# KiCad board MelonLORD.kicad_pcb
title: MelonLORD; date: 2025-09-07; rev: 0.1; company: _RoseDaggerDev
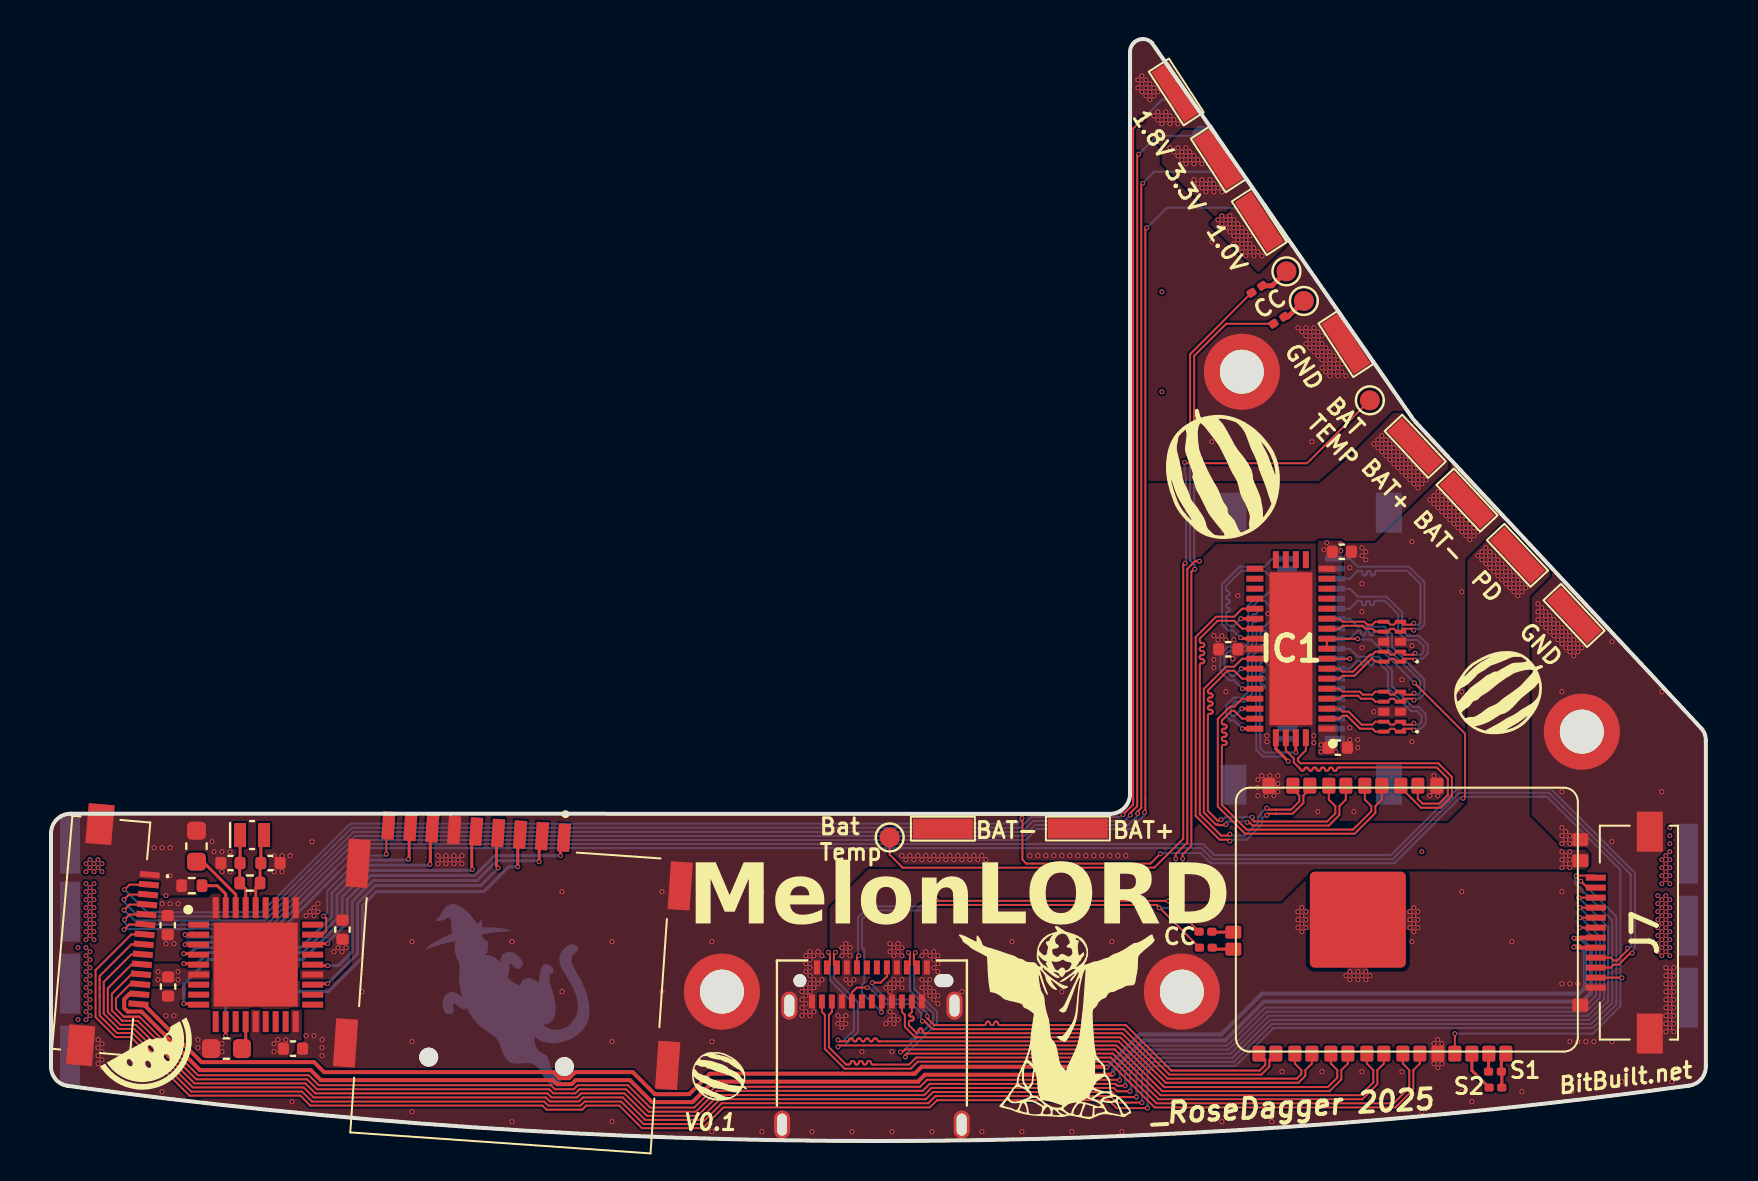
[diagram p0: board, top side]
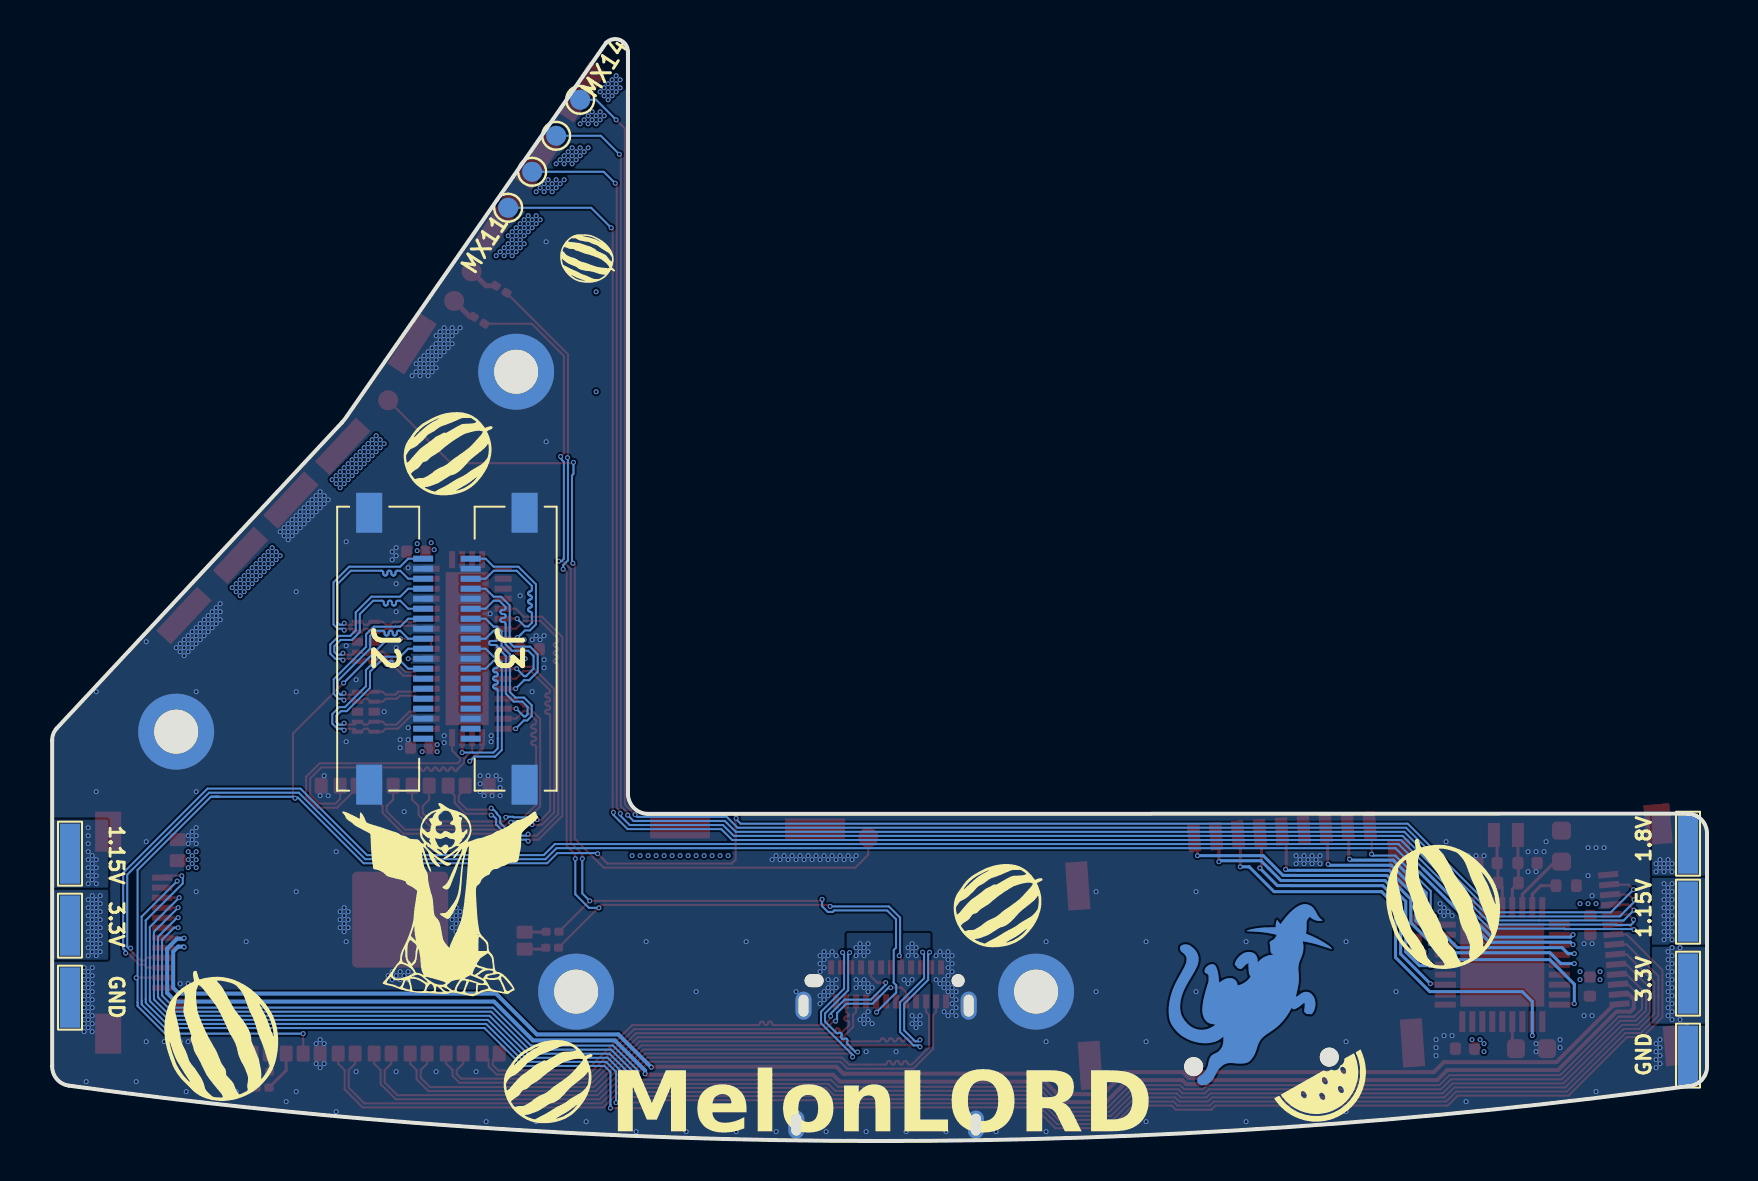
[diagram p1: board, bottom side, seen from below]

Outline 82.75 x 55.06 mm; copper layers: Top, In1.Cu, In2.Cu, Bottom. Coordinates in mm from the lower left corner of the outline.
Outline path: 0,15.37 0,3.74 arc(0.24,3.08) 0.82,2.76 arc(41.37,0) 81.91,2.77 arc(82.52,3.1) 82.75,3.75 82.75,20.03 arc(82.7,20.34) 82.53,20.63 68.26,35.93 arc(68.13,36.08) 68.01,36.25 55.05,54.92 arc(54.36,55.06) 53.96,54.46 53.96,17.36 arc(53.67,16.66) 52.95,16.36 1,16.37 arc(0.29,16.08) 0,15.37
Stack: Top 0.035mm / dielectric 0.1mm FR4 er 4.5 / In1.Cu 0.035mm / dielectric 0.24mm FR4 er 4.5 / In2.Cu 0.035mm / dielectric 0.1mm FR4 er 4.5 / Bottom 0.035mm

## Placement (name value [footprint] x y rotation side)
C1  18p  [C_0402_1005Metric]  10.98 13.9 0 top
C2  18p  [C_0402_1005Metric]  8.98 13.9 0 top
C3  1u  [C_0603_1608Metric]  8.77 4.62 180 top
C4  1u  [C_0603_1608Metric]  7.27 14.75 270 top
C5  100n  [C_0402_1005Metric]  5.84 10.8 270 top
C6  100n  [C_0402_1005Metric]  5.86 7.72 270 top
C7  100n  [C_0402_1005Metric]  14.58 10.57 90 top
C8  100n  [C_0402_1005Metric]  12.1 4.62 0 top
C9  100n  [C_0402_1005Metric]  64.55 29.47 0 top
C10  100n  [C_0402_1005Metric]  64.35 19.67 180 top
C11  100n  [C_0402_1005Metric]  58.87 24.59 0 top
D1  -  [ESD204DQAR]  67.07 21.47 180 top
D2  -  [ESD204DQAR]  67.07 24.97 180 top
G***  -  [LOGO]  50.55 6.17 0 top
G***#2  -  [LOGO]  58.55 33.47 110 top
G***#3  -  [LOGO]  33.45 3.17 335 top
G***#4  -  [LOGO]  72.55 22.47 30 top
G***#5  -  [LOGO]  4.75 4.37 0 top
G***#6  -  [LOGO]  23.04 7.51 180 bottom
G***#7  -  [LOGO]  19.35 2.77 180 bottom
G***#8  -  [LOGO]  74.35 5.37 70 bottom
G***#9  -  [LOGO]  35.29 11.82 150 bottom
G***#10  -  [LOGO]  63.1 12.32 180 bottom
G***#11  -  [LOGO]  55.95 44.07 205 bottom
G***#12  -  [LOGO]  57.79 3.02 150 bottom
G***#13  -  [LOGO]  13.25 11.97 70 bottom
G***#14  -  [LOGO]  62.79 34.42 150 bottom
H1  MountingHole_Pad  [MountingHole_2.2mm_M2_DIN965_Pad]  33.55 7.47 0 top
H2  MountingHole_Pad  [MountingHole_2.2mm_M2_DIN965_Pad]  56.55 7.47 0 top
H3  MountingHole_Pad  [MountingHole_2.2mm_M2_DIN965_Pad]  76.55 20.47 0 top
H4  MountingHole_Pad  [MountingHole_2.2mm_M2_DIN965_Pad]  59.55 38.47 0 top
IC1  TS3DV621RUAR  [QFN50P350X900X80-43N-D]  62 24.62 180 top
IC2  USB2244-AEZG-06  [QFN50P600X600X90-37N]  10.24 8.82 0 top
J1  USB_C_Receptacle  [USB_C_Receptacle_Amphenol_12401610E4-2A]  41.05 3.66 0 top
J2  505278-1933  [5052781933]  66.35 24.62 270 bottom
J3  505278-1933  [5052781933]  59.67 24.62 90 bottom
J4  MEM2075-00-140-01-A  [MEM20750014001A]  23.04 7.96 356 top
J5  505110-1492  [5051101492]  2.06 10.31 265 top
J7  505110-1292  [5051101292]  79.7 10.42 90 top
R1  NC  [R_0201_0603Metric]  57.75 9.67 180 top
R2  NC  [R_0201_0603Metric]  57.73 10.47 180 top
R3  0  [R_0201_0603Metric]  72.23 2.67 0 top
R4  0  [R_0201_0603Metric]  72.2 3.47 180 top
R5  12k  [R_0402_1005Metric]  7.04 12.77 0 top
R6  1M  [R_0402_1005Metric]  9.95 12.9 0 top
R7  NC  [R_0201_0603Metric]  60.3 42.6 213 top
R8  NC  [R_0201_0603Metric]  61.4 41.05 213 top
TP1  TestPoint  [TestPoint_Pad_3x1.0mm]  60.42 45.97 303 top
TP2  TestPoint  [TestPoint_Pad_3x1.0mm]  81.86 14.37 90 bottom
TP3  TestPoint  [TestPoint_Pad_3x1.0mm]  56.27 52.46 303 top
TP4  TestPoint  [TestPoint_Pad_3x1.0mm]  58.37 49.11 303 top
TP5  TestPoint  [TestPoint_Pad_D1.0mm]  61.78 43.49 0 top
TP6  TestPoint  [TestPoint_Pad_3x1.0mm]  73.33 29.29 313 top
TP7  TestPoint  [TestPoint_Pad_3x1.0mm]  68.22 34.74 313 top
TP8  TestPoint  [TestPoint_Pad_3x1.0mm]  70.81 32.05 313 top
TP9  TestPoint  [TestPoint_Pad_3x1.0mm]  76.16 26.28 313 top
TP10  TestPoint  [TestPoint_Pad_3x1.0mm]  51.35 15.63 0 top
TP11  TestPoint  [TestPoint_Pad_3x1.0mm]  64.75 39.87 303 top
TP12  TestPoint  [TestPoint_Pad_3x1.0mm]  44.6 15.62 0 top
TP13  TestPoint  [TestPoint_Pad_D1.0mm]  62.65 42.01 0 top
TP14  TestPoint  [TestPoint_Pad_D1.0mm]  65.95 37.04 0 top
TP15  TestPoint  [TestPoint_Pad_D1.0mm]  41.94 15.18 0 top
TP16  5V  [TestPoint_Pad_3x1.0mm]  81.86 7.17 270 bottom
TP17  5V  [TestPoint_Pad_3x1.0mm]  81.86 10.77 270 bottom
TP24  SPVDD  [TestPoint_Pad_D1.0mm]  58.75 48.47 180 bottom
TP25  SPVDD  [TestPoint_Pad_D1.0mm]  59.95 46.67 180 bottom
TP26  SPVDD  [TestPoint_Pad_D1.0mm]  57.55 50.27 180 bottom
TP31  SPVDD  [TestPoint_Pad_D1.0mm]  56.35 52.07 180 bottom
TP34  TestPoint  [TestPoint_Pad_3x1.0mm]  0.95 14.87 90 bottom
TP35  TestPoint  [TestPoint_Pad_3x1.0mm]  0.95 7.87 90 bottom
TP36  TestPoint  [TestPoint_Pad_3x1.0mm]  0.95 11.47 90 bottom
TP37  TestPoint  [TestPoint_Pad_3x1.0mm]  0.95 4.27 90 bottom
U1  ~  [melonHD_SMT]  67.65 10.87 270 top
Y1  24MHz  [Crystal_SMD_MicroCrystal_CM9V-T1A-2Pin_1.6x1.0mm]  10.06 15.3 0 top

## Library data of the parts
C1-C11 = -: Description: Unpolarized capacitor, small symbol; ki_fp_filters: C_*
D1 D2 = -: Datasheet: http://www.ti.com/lit/gpn/esd204; Description: 4-Channel Low-Capacitance Surge and ESD Protection Diode; Height: 0.55; Mouser Part Number: 595-ESD204DQAR; Mouser Price/Stock: https://www.mouser.co.uk/ProductDetail/Texas-Instruments/ESD204DQAR?qs=r5DSvlrkXmLJ52LliQixbw%3D%3D; Manufacturer_Name: Texas Instruments
H1-H4 = -: Description: Mounting Hole with connection; ki_fp_filters: MountingHole*Pad*
IC1 = -: Datasheet: http://www.ti.com/lit/gpn/ts3dv621; Description: Texas Instruments TS3DV621RUAR, Multiplexer Switch IC Twelve 1:2 demultiplexer, multiplexer, 3  3.6 V, 42-Pin; Height: 0.8; Mouser Part Number: 595-TS3DV621RUAR; Mouser Price/Stock: https://www.mouser.co.uk/ProductDetail/Texas-Instruments/TS3DV621RUAR?qs=2UFnnMkojnXsORWnVgCMog%3D%3D; Manufacturer_Name: Texas Instruments
IC2 = -: Datasheet: http://www.microchip.com/mymicrochip/filehandler.aspx?ddocname=en562093; Description: USB 2.0 SD/MMC Flash Controller QFN36 Microchip USB2244-AEZG-06, USB Controller, 35MBps, USB 2.0, 3.3 V, 36-Pin QFN; Height: 0.9; Mouser Part Number: 886-USB2244-AEZG-06; Mouser Price/Stock: https://www.mouser.co.uk/ProductDetail/Microchip-Technology/USB2244-AEZG-06?qs=pA5MXup5wxGi7RVCZrMVFw%3D%3D; Manufacturer_Name: Microchip
J1 = -: Datasheet: https://www.usb.org/sites/default/files/documents/usb_type-c.zip; Description: USB Full-Featured Type-C Receptacle connector; ki_fp_filters: USB*C*Receptacle*
J2 J3 = -: Datasheet: https://www.molex.com/pdm_docs/sd/5052781933_sd.pdf; Description: FFC & FPC Connectors 0.5 FFC ZIF BTM CONT 19Ckt R/A FRONT FLIP; Height: 2.15; Mouser Part Number: 538-505278-1933; Mouser Price/Stock: https://www.mouser.co.uk/ProductDetail/Molex/505278-1933?qs=c8NFF48pVsDT1Rm30ZuzyA%3D%3D; Manufacturer_Name: Molex
J4 = -: Description: GCT (GLOBAL CONNECTOR TECHNOLOGY) - MEM2075-00-140-01-A - MICRO SD CARD CONN, PUSH-PUSH, 9POS, SMT; Height: 1.45; Mouser Part Number: 640-MEM20750014001A; Mouser Price/Stock: https://www.mouser.co.uk/ProductDetail/GCT/MEM2075-00-140-01-A?qs=KUoIvG%2F9IlZvfWpeERlq3Q%3D%3D; Manufacturer_Name: GCT (GLOBAL CONNECTOR TECHNOLOGY)
J5 = -: Datasheet: https://www.molex.com/pdm_docs/sd/5051101492_sd.pdf; Description: Molex Easy-On Series 0.5mm Pitch 14 Way Right Angle SMT Male FPC Connector, ZIF Bottom Contact; Height: 3.95; Mouser Part Number: 538-505110-1492; Mouser Price/Stock: https://www.mouser.co.uk/ProductDetail/Molex/505110-1492?qs=RawsiUxJOFRayVL4TsmiFw%3D%3D; Manufacturer_Name: Molex
J7 = -: Datasheet: https://componentsearchengine.com/Datasheets/1/505110-1292.pdf; Description: Molex Easy-On Series 0.5mm Pitch 12 Way Right Angle SMT Male FPC Connector, ZIF Bottom Contact; Height: 3.95; Mouser Part Number: 538-505110-1292; Mouser Price/Stock: https://www.mouser.co.uk/ProductDetail/Molex/505110-1292?qs=BA62vJVifGptACMEATLLfQ%3D%3D; Manufacturer_Name: Molex
R1-R8 = -: Description: Resistor; ki_fp_filters: R_*
TP1-TP15 TP34-TP37 = -: Description: test point; ki_fp_filters: Pin* Test*
TP16 TP17 TP24-TP26 TP31 = -: ki_fp_filters: Pin* Test*
Y1 = -: Description: Two pin crystal; ki_fp_filters: Crystal*

## Footprints (pads in the part's own frame, mm; a bottom-side part is the same pattern mirrored in y, then rotated)
5051101292
  rect 0.3x1 smd: 1(-2.75,2.455) 2(-2.25,2.455) 3(-1.75,2.455) 4(-1.25,2.455) 5(-0.75,2.455) 6(-0.25,2.455) 7(0.25,2.455) 8(0.75,2.455) 9(1.25,2.455) 10(1.75,2.455) 11(2.25,2.455) 12(2.75,2.455)
  rect 2x1.3 smd: MP1(-5.05,-0.245) MP2(5.05,-0.245)
5051101492
  rect 0.3x1 smd: 1(-3.25,2.605) 2(-2.75,2.605) 3(-2.25,2.605) 4(-1.75,2.605) 5(-1.25,2.605) 6(-0.75,2.605) 7(-0.25,2.605) 8(0.25,2.605) 9(0.75,2.605) 10(1.25,2.605) 11(1.75,2.605) 12(2.25,2.605) 13(2.75,2.605) 14(3.25,2.605)
  rect 2x1.3 smd: MP1(-5.55,-0.095) MP2(5.55,-0.095)
5052781933
  rect 0.3x1 smd: 1(-4.5,2.15) 2(-4,2.15) 3(-3.5,2.15) 4(-3,2.15) 5(-2.5,2.15) 6(-2,2.15) 7(-1.5,2.15) 8(-1,2.15) 9(-0.5,2.15) 10(0,2.15) 11(0.5,2.15) 12(1,2.15) 13(1.5,2.15) 14(2,2.15) 15(2.5,2.15) 16(3,2.15) 17(3.5,2.15) 18(4,2.15) 19(4.5,2.15)
  rect 2x1.3 smd: MP1(-6.8,-0.55) MP2(6.8,-0.55)
C_0402_1005Metric
  rrect 0.56x0.62 smd: 1(-0.48,0) 2(0.48,0)
C_0603_1608Metric
  rrect 0.9x0.95 smd: 1(-0.775,0) 2(0.775,0)
Crystal_SMD_MicroCrystal_CM9V-T1A-2Pin_1.6x1.0mm
  rect 0.6x1.2 smd: 1(-0.6,0) 2(0.6,0)
ESD204DQAR
  rect 0.565x0.2 smd: 1(-0.417,1) 2(-0.417,0.5) 4(-0.417,-0.5) 5(-0.417,-1) 6(0.417,-1) 7(0.417,-0.5) 9(0.417,0.5) 10(0.417,1)
  rect 0.565x0.4 smd: 3(-0.417,0) 8(0.417,0)
melonHD_SMT
  rrect 0.65x0.8 smd: 1(-3.15,8.725) 2(-4.2,8.725) 13(0.425,-8.425) 14(1.275,-8.425) 30(4.075,8.725)
  rrect 0.8x0.65 smd: 3(-6.8,1.65) 4(-6.8,0.7) 5(-6.8,-0.15) 6(-6.8,-1.1) 7(-6.8,-1.95) 8(-6.8,-2.9) 9(-6.8,-3.75) 10(-6.8,-4.7) 11(-6.8,-5.55) 12(-6.8,-6.75) 15(6.4,-7.25) 16(6.4,-6.4) 17(6.4,-5.45) 18(6.4,-4.6) 19(6.4,-3.65) 20(6.4,-2.8) 21(6.4,-1.85) 22(6.4,-1) 23(6.4,-0.05) 24(6.4,0.8) 25(6.4,1.7) 26(6.4,2.55) 27(6.4,3.4) 28(6.4,4.25) 29(6.4,5.1)
  rrect 4.8x4.8 smd: 31(-0.2,-2.3)
MEM20750014001A
  round 0.95 hole 0.95 unplated: (-3.875,-4.045) (2.925,-4.045)
  rect 0.62x1.4 smd: 1(2.105,7.375) 2(1.005,7.375) 3(-0.095,7.375) 4(-1.195,7.375) 5(-2.295,7.375) 6(-3.395,7.375) 7(-4.495,7.375) 8(-5.595,7.375) 9(-6.695,7.375)
  rect 1.1x2.4 smd: 10(-8.075,5.375) 11(-8.075,-3.625) 12(8.075,-3.625) 13(8.075,5.375)
MountingHole_2.2mm_M2_DIN965_Pad
  round 3.8 hole 2.2: 1(0,0)
QFN50P350X900X80-43N-D
  rect 0.85x0.3 smd: 1(-1.8,4) 2(-1.8,3.5) 3(-1.8,3) 4(-1.8,2.5) 5(-1.8,2) 6(-1.8,1.5) 7(-1.8,1) 8(-1.8,0.5) 9(-1.8,0) 10(-1.8,-0.5) 11(-1.8,-1) 12(-1.8,-1.5) 13(-1.8,-2) 14(-1.8,-2.5) 15(-1.8,-3) 16(-1.8,-3.5) 17(-1.8,-4) 22(1.8,-4) 23(1.8,-3.5) 24(1.8,-3) 25(1.8,-2.5) 26(1.8,-2) 27(1.8,-1.5) 28(1.8,-1) 29(1.8,-0.5) 30(1.8,0) 31(1.8,0.5) 32(1.8,1) 33(1.8,1.5) 34(1.8,2) 35(1.8,2.5) 36(1.8,3) 37(1.8,3.5) 38(1.8,4)
  rect 0.3x0.85 smd: 18(-0.75,-4.45) 19(-0.25,-4.45) 20(0.25,-4.45) 21(0.75,-4.45) 39(0.75,4.45) 40(0.25,4.45) 41(-0.25,4.45) 42(-0.75,4.45)
  rect 2.15x7.65 smd: 43(0,0)
QFN50P600X600X90-37N
  rect 1.05x0.3 smd: 1(-2.85,2) 2(-2.85,1.5) 3(-2.85,1) 4(-2.85,0.5) 5(-2.85,0) 6(-2.85,-0.5) 7(-2.85,-1) 8(-2.85,-1.5) 9(-2.85,-2) 19(2.85,-2) 20(2.85,-1.5) 21(2.85,-1) 22(2.85,-0.5) 23(2.85,0) 24(2.85,0.5) 25(2.85,1) 26(2.85,1.5) 27(2.85,2)
  rect 0.3x1.05 smd: 10(-2,-2.85) 11(-1.5,-2.85) 12(-1,-2.85) 13(-0.5,-2.85) 14(0,-2.85) 15(0.5,-2.85) 16(1,-2.85) 17(1.5,-2.85) 18(2,-2.85) 28(2,2.85) 29(1.5,2.85) 30(1,2.85) 31(0.5,2.85) 32(0,2.85) 33(-0.5,2.85) 34(-1,2.85) 35(-1.5,2.85) 36(-2,2.85)
  rect 4.2x4.2 smd: 37(0,0)
R_0201_0603Metric
  rrect 0.318x0.36 smd: (-0.345,0) (0.345,0)
  rrect 0.46x0.4 smd: 1(-0.32,0) 2(0.32,0)
R_0402_1005Metric
  rrect 0.54x0.64 smd: 1(-0.51,0) 2(0.51,0)
TestPoint_Pad_3x1.0mm
  rect 3x1 smd: 1(0,0)
TestPoint_Pad_D1.0mm
  round 1 smd: 1(0,0)
USB_C_Receptacle_Amphenol_12401610E4-2A
  round 0.65 hole 0.65 unplated: (-3.6,4.36)
  oval 0.95x0.65 hole 0.95x0.65 unplated: (3.6,4.36)
  rect 0.3x0.7 smd: A1(-2.75,5.02) A2(-2.25,5.02) A3(-1.75,5.02) A4(-1.25,5.02) A5(-0.75,5.02) A6(-0.25,5.02) A7(0.25,5.02) A8(0.75,5.02) A9(1.25,5.02) A10(1.75,5.02) A11(2.25,5.02) A12(2.75,5.02) B1(2.5,3.32) B2(2,3.32) B3(1.5,3.32) B4(1,3.32) B5(0.5,3.32) B6(0,3.32) B7(-0.5,3.32) B8(-1,3.32) B9(-1.5,3.32) B10(-2,3.32) B11(-2.5,3.32) B12(-3,3.32)
  oval 0.8x1.4 hole 0.5x1.1: S1(-4.49,-2.84) S1(-4.13,3.11) S1(4.13,3.11) S1(4.49,-2.84)

## Nets
+1V0: TP1.1
+1V8: TP3.1 TP34.1
+1V15: TP2.1 TP36.1
+3V3: C5.1 C6.1 C7.1 C8.1 C9.1 C10.2 C11.2 IC1.1 IC1.8 IC1.17 IC1.30 IC2.6 IC2.14 IC2.18 IC2.22 IC2.36 TP4.1 TP17.1 TP35.1
GND: C1.2 C2.1 C3.2 C4.1 C5.2 C6.2 C7.2 C8.2 C9.2 C10.1 C11.1 D1.3 D1.8 D2.3 D2.8 H1.1 H2.1 H3.1 H4.1 IC1.43 IC2.28 IC2.37 J1.A1 J1.A12 J1.B1 J1.B12 J1.S1 J2.2 J2.5 J2.8 J2.11 J2.17 J2.MP1 J2.MP2 J3.3 J3.9 J3.12 J3.15 J3.18 J3.MP1 J3.MP2 J4.6 J4.10 J4.11 J4.12 J4.13 J5.1 J5.MP1 J5.MP2 J7.1 J7.MP1 J7.MP2 R5.1 TP8.1 TP9.1 TP11.1 TP12.1 TP16.1 TP37.1 U1.2 U1.3 U1.12 U1.25 U1.30 U1.31
VBUS: J1.A4 J1.A9 J1.B4 J1.B9 TP6.1 U1.1
+BATT: TP7.1 TP10.1
AUXDP+: J1.A8 U1.15
AUXDP-: J1.B8 U1.16
BatTemp: TP14.1 TP15.1
C_IN: J5.10 J7.9
CC1: J1.A5 R1.2 R7.2
CC2: J1.B5 R2.2 R8.2
D0+: D1.4 D1.7 IC1.4 J2.7
D0-: D1.5 D1.6 IC1.5 J2.9
D0A+: IC1.38 J3.13
D0A-: IC1.36 J3.11
D0B+: IC1.37 U1.7
D0B-: IC1.35 U1.6
D1+: D2.1 D2.10 IC1.6 J2.4
D1-: D2.2 D2.9 IC1.7 J2.6
D1A+: IC1.34 J3.16
D1A-: IC1.32 J3.14
D1B+: IC1.33 U1.9
D1B-: IC1.31 U1.8
D2+: D2.4 D2.7 IC1.11 J2.1
D2-: D2.5 D2.6 IC1.12 J2.3
D2A+: IC1.29 J3.19
D2A-: IC1.27 J3.17
D2B+: IC1.28 U1.11
D2B-: IC1.26 U1.10
D_IN: J5.12 J7.7
DCLK+: D1.1 D1.10 IC1.2 J2.10
DCLK-: D1.2 D1.9 IC1.3 J2.12
DCLKA+: IC1.41 J3.8
DCLKA-: IC1.39 J3.10
DCLKB+: IC1.42 U1.5
DCLKB-: IC1.40 U1.4
HPD: IC1.9 IC1.10 J5.2 J7.2 U1.26
M_IN: J5.9 J7.10
MX11: J5.6 TP25.1
MX12: J5.5 TP24.1
MX13: J5.4 TP26.1
MX14: J5.3 TP31.1
RX1+: J1.B11 U1.24
RX1-: J1.B10 U1.23
RX2+: J1.A11 U1.22
RX2-: J1.A10 U1.21
SCL: J5.7 J7.11
SD_CD: IC2.26 J4.9
SD_CLK: IC2.9 J4.5
SD_CMD: IC2.11 J4.3
SD_D0: IC2.5 J4.7
SD_DAT1: IC2.4 J4.8
SD_DAT2: IC2.25 J4.1
SD_DAT3: IC2.23 J4.2
SD_PWR: IC2.21 J4.4
SDA: J5.8 J7.12
SPKL+: J5.13 J7.6
SPKL-: J5.14 J7.5
TX1+: J1.A2 U1.19
TX1-: J1.A3 U1.20
TX2+: J1.B2 U1.17
TX2-: J1.B3 U1.18
USB_DATA+: IC2.2 J7.3
USB_DATA-: IC2.3 J7.4
W_IN: J5.11 J7.8
Net-(IC2-RBIAS): IC2.35 R5.2
Net-(IC2-VDD18): C3.1 IC2.13
Net-(IC2-VDD18PLL): C4.2 IC2.34
Net-(IC2-XTAL1_(CLKIN)): C2.2 IC2.33 R6.1 Y1.1
Net-(IC2-XTAL2): C1.1 IC2.32 R6.2 Y1.2
Net-(R7-Pad1): R7.1 TP5.1
Net-(R8-Pad1): R8.1 TP13.1
Net-(U1-3.3V_OUT): R3.2 R4.1 U1.29
Net-(U1-CC1): R1.1 U1.14
Net-(U1-CC2): R2.1 U1.13
Net-(U1-SEL0): R3.1 U1.27
Net-(U1-SEL1): R4.2 U1.28

Pads without a net: IC1 13 14 15 16 18 19 20 21 22 23 24 25; IC2 1 7 8 10 12 15 16 17 19 20 24 27 29 30 31; J1 A6 A7 B6 B7; J2 13 14 15 16 18 19; J3 1 2 4 5 6 7

## Via types
v1: diameter 0.25, hole 0.15, Top to Bottom, 859 vias

## Routing (per net, layer and track width the routed paths; a pad name or vN(x,y) marks a point on that pad's centre or on a via; arc(x,y) is an arc through that point)
+1V0:
  vias: v1(58.35,46.07) v1(58.55,46.27) v1(58.55,45.87) v1(58.75,46.07) v1(58.75,45.67) v1(58.95,46.27) v1(58.95,45.87) v1(58.95,45.47) v1(59.15,46.07) v1(59.15,45.67) v1(59.15,45.27) v1(59.15,44.87) v1(59.35,45.87) v1(59.35,45.47) v1(59.35,45.07) v1(59.35,44.67) v1(59.55,45.67) v1(59.55,45.27) v1(59.55,44.87) v1(59.55,44.47) v1(59.75,45.47) v1(59.75,45.07) v1(59.75,44.67) v1(59.75,44.27) v1(59.95,45.27) v1(59.95,44.87) v1(59.95,44.47) v1(60.15,44.67) v1(60.15,44.27) v1(60.35,44.47) v1(60.55,44.27)
+1V8:
  vias: v1(1.75,13.87) v1(1.75,13.47) v1(1.95,14.07) v1(1.95,13.67) v1(2.15,13.87) v1(2.15,13.47) v1(2.35,14.07) v1(2.35,13.67) v1(2.55,13.87) v1(2.55,13.47) v1(54.35,53.07) v1(54.35,52.67) v1(54.55,53.27) v1(54.55,52.87) v1(54.55,52.47) v1(54.75,53.07) v1(54.75,52.67) v1(54.75,52.27) v1(54.95,52.87) v1(54.95,52.47) v1(54.95,52.07) v1(55.15,52.67) v1(55.15,52.27) v1(55.15,51.27) v1(55.35,52.47) v1(55.35,51.47) v1(55.35,51.07) v1(55.55,51.27) v1(55.55,50.87) v1(55.55,42.47) v1(55.55,37.47) v1(55.75,51.47) v1(55.75,51.07) v1(55.95,51.27) v1(55.95,50.87) v1(56.15,51.07) v1(56.35,50.87)
+1V15:
  vias: v1(1.75,12.87) v1(1.75,12.47) v1(1.75,12.07) v1(1.75,11.67) v1(1.75,11.27) v1(1.75,10.87) v1(1.75,10.47) v1(1.75,10.07) v1(1.95,12.67) v1(1.95,12.27) v1(1.95,11.87) v1(1.95,11.47) v1(1.95,11.07) v1(1.95,10.67) v1(1.95,10.27) v1(2.15,12.87) v1(2.15,12.47) v1(2.15,12.07) v1(2.15,11.67) v1(2.15,11.27) v1(2.15,10.87) v1(2.15,10.47) v1(2.15,10.07) v1(80.55,14.07) v1(80.55,13.67) v1(80.55,13.27) v1(80.55,12.87) v1(80.75,14.27) v1(80.75,13.87) v1(80.75,13.47) v1(80.75,13.07) v1(80.95,15.67) v1(80.95,15.27) v1(80.95,14.87) v1(80.95,14.47) v1(80.95,14.07) v1(80.95,13.67) v1(80.95,13.27) v1(80.95,12.87)
+3V3: length 1.2
  Top w0.102: v1(64.95,24.12) IC1.8
  vias: v1(1.35,9.67) v1(1.35,6.07) v1(1.75,9.67) v1(1.75,9.27) v1(1.75,8.87) v1(1.75,8.47) v1(1.75,8.07) v1(1.75,7.67) v1(1.75,7.27) v1(1.75,6.87) v1(1.75,6.47) v1(1.75,6.07) v1(1.95,9.47) v1(1.95,9.07) v1(1.95,8.67) v1(1.95,8.27) v1(1.95,7.87) v1(1.95,7.47) v1(1.95,7.07) v1(1.95,6.67) v1(1.95,6.27) v1(5.35,8.47) v1(5.35,8.07) v1(5.55,11.87) v1(5.95,11.87) v1(6.35,11.87) v1(6.35,8.47) v1(6.35,8.07) v1(11.15,4.87) v1(11.15,4.47) v1(11.35,5.07) v1(11.75,5.07) v1(14.15,9.47) v1(14.35,9.67) v1(14.55,9.47) v1(14.75,9.67) v1(55.95,49.67) v1(56.15,49.47) v1(56.35,49.67) v1(56.35,49.27) v1(56.55,49.47) v1(56.55,49.07) v1(56.75,49.67) v1(56.75,49.27) v1(56.75,48.87) v1(56.95,49.47) v1(56.95,49.07) v1(57.15,49.27) v1(57.15,48.87) v1(57.15,48.07) v1(57.35,49.07) v1(57.35,47.87) v1(57.55,48.87) v1(57.55,48.07) v1(57.55,47.67) v1(57.75,47.87) v1(57.75,47.47) v1(57.95,48.07) v1(57.95,47.67) v1(58.15,47.87) v1(58.15,47.47) v1(58.35,47.67) v1(58.55,47.47) v1(59.15,25.07) v1(59.1,24.12) v1(63.5,19.82) v1(63.5,19.47) v1(63.65,29.57) v1(63.8,29.92) v1(64.25,19.47) v1(64.5,29.87) v1(64.5,29.52) v1(80.35,12.27) v1(80.35,11.87) v1(80.35,11.47) v1(80.35,11.07) v1(80.35,10.67) v1(80.35,10.27) v1(80.35,9.87) v1(80.35,9.47) v1(80.55,12.07) v1(80.55,11.67) v1(80.55,11.27) v1(80.55,10.87) v1(80.55,10.47) v1(80.55,10.07) v1(80.55,9.67) v1(80.55,9.27) v1(80.75,12.27) v1(80.75,11.87) v1(80.75,11.47) v1(80.75,11.07) v1(80.75,10.67) v1(80.75,10.27) v1(80.75,9.87) v1(80.75,9.47) v1(80.95,12.07) v1(80.95,11.67) v1(80.95,11.27) v1(80.95,10.87) v1(80.95,10.47) v1(80.95,10.07) v1(80.95,9.67) v1(80.95,9.27)
GND:
  vias: v1(2.35,5.07) v1(2.35,4.67) v1(2.35,4.27) v1(2.35,3.87) v1(2.55,4.87) v1(2.55,4.47) v1(2.55,4.07) v1(2.55,3.67) v1(5.15,14.67) v1(5.55,14.67) v1(5.55,2.47) v1(5.75,12.27) v1(5.75,9.87) v1(5.75,6.27) v1(5.95,14.67) v1(5.95,13.27) v1(6.15,9.87) v1(6.15,6.27) v1(7.35,5.07) v1(7.35,4.67) v1(8.05,14.97) v1(8.15,14.47) v1(8.55,14.47) v1(8.55,13.47) v1(8.55,4.87) v1(8.55,4.47) v1(8.95,14.47) v1(8.95,13.47) v1(11.15,14.27) v1(11.15,13.47) v1(11.55,14.27) v1(11.55,13.47) v1(11.95,14.27) v1(12.05,1.97) v1(12.75,11.27) v1(12.75,5.27) v1(12.95,11.47) v1(13.05,14.97) v1(13.15,11.67) v1(13.15,11.27) v1(13.15,5.27) v1(13.35,11.87) v1(13.35,11.47) v1(13.55,5.07) v1(13.55,4.67) v1(13.55,4.27) v1(15.55,7.47) v1(18.05,9.97) v1(18.05,4.97) v1(18.05,1.47) v1(19.35,14.27) v1(19.35,13.87) v1(19.55,14.07) v1(19.75,14.27) v1(19.75,13.87) v1(19.95,14.07) v1(20.15,14.27) v1(20.15,13.87) v1(20.35,14.07) v1(20.55,14.27) v1(20.55,13.87) v1(23.05,9.97) v1(23.05,0.97) v1(25.55,12.47) v1(25.55,7.47) v1(28.05,9.97) v1(28.05,4.97) v1(28.05,0.97) v1(30.55,12.47) v1(30.55,7.47) v1(33.05,9.97) v1(33.05,4.97) v1(33.05,0.47) v1(35.55,12.47) v1(35.55,0.47) v1(37.55,7.47) v1(37.55,7.07) v1(37.55,6.67) v1(37.55,6.27) v1(37.75,9.27) v1(37.75,8.87) v1(37.75,8.47) v1(37.75,7.67) v1(37.75,7.27) v1(37.75,6.87) v1(37.75,6.47) v1(37.95,9.47) v1(37.95,9.07) v1(37.95,8.67) v1(37.95,8.27) v1(37.95,7.87) v1(37.95,7.47) v1(37.95,6.27) v1(38.05,0.47) v1(38.15,9.27) v1(38.15,8.07) v1(38.15,7.67) v1(38.15,6.47) v1(38.35,9.47) v1(38.35,7.87) v1(38.55,9.27) v1(38.55,8.07) v1(40.05,0.47) v1(40.55,4.47) v1(42.05,4.47) v1(42.05,0.47) v1(42.55,14.27) v1(42.75,14.07) v1(42.95,14.27) v1(43.15,14.07) v1(43.35,14.27) v1(43.55,14.07) v1(43.55,9.27) v1(43.55,8.07) v1(43.55,7.67) v1(43.75,14.27) v1(43.75,9.47) v1(43.75,7.87) v1(43.75,7.47) v1(43.95,14.07) v1(43.95,9.27) v1(43.95,8.07) v1(43.95,7.67) v1(43.95,7.27) v1(44.05,0.47) v1(44.15,14.27) v1(44.15,9.47) v1(44.15,9.07) v1(44.15,8.67) v1(44.15,7.47) v1(44.15,7.07) v1(44.35,14.07) v1(44.35,9.27) v1(44.35,8.87) v1(44.35,8.47) v1(44.35,7.27) v1(44.35,6.87) v1(44.55,14.27) v1(44.75,14.07) v1(44.95,14.27) v1(45.15,14.07) v1(45.35,14.27) v1(45.55,14.07) v1(45.55,7.47) v1(45.75,14.27) v1(45.95,14.07) v1(46.15,14.27) v1(46.35,14.07) v1(46.55,14.27) v1(46.55,0.47) v1(46.75,14.07) v1(48.05,9.97) v1(48.55,0.47) v1(50.55,7.47) v1(51.05,0.47) v1(53.05,9.97) v1(53.55,0.47) v1(56.05,0.97) v1(58.05,44.97) v1(58.05,34.97) v1(58.15,25.27) v1(58.15,24.07) v1(58.15,23.67) v1(58.35,25.07) v1(58.55,25.27) v1(58.55,0.97) v1(58.75,25.07) v1(58.75,22.47) v1(59.35,27.27) v1(60.35,18.07) v1(60.35,17.67) v1(60.35,17.27) v1(60.55,18.27) v1(60.8,20.27) v1(60.8,19.97) v1(60.75,17.27) v1(60.85,26.37) v1(60.95,18.27) v1(61.05,0.97) v1(61.15,17.27) v1(61.35,18.27) v1(61.35,17.87) v1(61.35,17.47) v1(61.55,3.47) v1(62.35,40.67) v1(62.35,11.47) v1(62.35,11.07) v1(62.35,10.67) v1(62.55,40.47) v1(62.55,11.67) v1(62.55,11.27) v1(62.55,10.87) v1(62.55,10.47) v1(62.75,40.67) v1(62.75,40.27) v1(62.75,39.87) v1(62.75,11.47) v1(62.75,11.07) v1(62.75,10.67) v1(62.95,40.47) v1(62.95,40.07) v1(62.95,39.67) v1(63.05,34.97) v1(63.15,40.67) v1(63.15,40.27) v1(63.15,39.87) v1(63.15,39.47) v1(63.15,20.27) v1(63.15,19.92) v1(63.35,40.47) v1(63.35,40.07) v1(63.35,39.67) v1(63.35,39.27) v1(63.35,16.47) v1(63.55,40.27) v1(63.55,39.87) v1(63.55,39.47) v1(63.55,39.07) v1(63.55,38.67) v1(63.55,3.47) v1(63.75,39.67) v1(63.75,39.27) v1(63.75,38.87) v1(63.75,38.47) v1(63.95,39.47) v1(63.95,39.07) v1(63.95,38.67) v1(63.95,38.27) v1(64.15,39.27) v1(64.15,38.87) v1(64.15,38.47) v1(64.35,39.07) v1(64.35,38.67) v1(64.35,38.27) v1(64.55,38.87) v1(64.55,38.47) v1(64.75,38.27) v1(64.75,8.27) v1(64.95,28.67) v1(64.95,20.67) v1(64.95,20.07) v1(64.95,8.47) v1(64.95,8.07) v1(65.15,16.47) v1(65.15,8.27) v1(65.35,20.07) v1(65.35,19.67) v1(65.35,8.47) v1(65.35,8.07) v1(65.55,29.67) v1(65.55,29.27) v1(65.55,27.87) v1(65.55,26.47) v1(65.55,24.67) v1(65.55,8.27) v1(65.55,3.47) v1(65.75,29.47) v1(65.75,29.07) v1(65.75,8.47) v1(65.75,8.07) v1(65.95,8.27) v1(66.15,21.47) v1(67.55,23.07) v1(67.55,3.47) v1(67.95,11.47) v1(67.95,11.07) v1(67.95,10.67) v1(68.05,29.97) v1(68.05,24.77) v1(68.05,19.97) v1(68.05,9.97) v1(68.15,11.67) v1(68.15,11.27) v1(68.15,10.87) v1(68.15,10.47) v1(68.35,11.47) v1(68.35,11.07) v1(68.35,10.67) v1(68.55,14.47) v1(68.55,1.47) v1(68.95,32.07) v1(68.95,17.27) v1(69.15,32.27) v1(69.15,31.87) v1(69.15,18.27) v1(69.15,4.87) v1(69.15,3.87) v1(69.35,32.47) v1(69.35,32.07) v1(69.35,31.67) v1(69.35,17.27) v1(69.35,5.07) v1(69.35,3.67) v1(69.55,32.27) v1(69.55,31.87) v1(69.55,31.47) v1(69.55,4.87) v1(69.55,3.87) v1(69.75,32.07) v1(69.75,31.67) v1(69.75,31.27) v1(69.95,31.87) v1(69.95,31.47) v1(69.95,31.07) v1(70.15,31.67) v1(70.15,31.27) v1(70.15,30.87) v1(70.35,31.47) v1(70.35,31.07) v1(70.35,30.67) v1(70.55,31.27) v1(70.55,30.87) v1(70.55,30.47) v1(70.55,27.47) v1(70.55,22.47) v1(70.55,12.47) v1(70.55,2.47) v1(70.75,31.07) v1(70.75,30.67) v1(70.75,30.27) v1(70.95,30.87) v1(70.95,30.47) v1(70.95,30.07) v1(71.05,1.97) v1(71.15,30.67) v1(71.15,30.27) v1(71.35,30.47) v1(73.05,9.97) v1(73.55,2.47) v1(74.35,26.87) v1(74.35,26.47) v1(74.35,26.07) v1(74.55,26.67) v1(74.55,26.27) v1(74.55,25.87) v1(74.75,26.47) v1(74.75,26.07) v1(74.75,25.67) v1(74.95,26.27) v1(74.95,25.87) v1(74.95,25.47) v1(75.15,26.07) v1(75.15,25.67) v1(75.15,25.27) v1(75.35,25.87) v1(75.35,25.47) v1(75.35,25.07) v1(75.55,25.67) v1(75.55,25.27) v1(75.55,24.87) v1(75.55,22.47) v1(75.55,17.47) v1(75.55,15.67) v1(75.55,15.27) v1(75.55,14.87) v1(75.55,12.47) v1(75.55,7.87) v1(75.75,25.47) v1(75.75,25.07) v1(75.75,24.67) v1(75.75,15.47) v1(75.75,15.07) v1(75.95,25.27) v1(75.95,24.87) v1(75.95,24.47) v1(75.95,15.27) v1(75.95,14.87) v1(75.95,7.87) v1(75.95,4.97) v1(76.05,2.47) v1(76.15,25.07) v1(76.15,24.67) v1(76.15,24.27) v1(76.35,24.87) v1(76.35,24.47) v1(76.35,7.87) v1(76.35,4.97) v1(76.55,24.67) v1(76.75,4.97) v1(77.15,4.97) v1(78.05,24.97) v1(78.05,14.97) v1(78.05,4.97) v1(78.55,2.97) v1(80.55,22.47) v1(80.55,17.47) v1(80.75,8.67) v1(80.75,8.27) v1(80.75,7.87) v1(80.75,7.47) v1(80.75,7.07) v1(80.75,6.67) v1(80.75,6.27) v1(80.75,5.87) v1(80.75,5.47) v1(80.95,8.47) v1(80.95,8.07) v1(80.95,7.67) v1(80.95,7.27) v1(80.95,6.87) v1(80.95,6.47) v1(80.95,6.07) v1(80.95,5.67) v1(81.05,2.97) v1(81.15,8.67) v1(81.15,8.27) v1(81.15,7.87) v1(81.15,7.47) v1(81.15,7.07) v1(81.15,6.67) v1(81.15,6.27) v1(81.15,5.87) v1(81.15,5.47)